# Altium PCB MotionW.PcbDoc
Units mil, origin at the board's own origin, x right, y up, seen from the top; angles counter-clockwise.
Board outline 3780 x 3110 mil, 2 copper layers (Top Layer, Bottom Layer); 130 components, 115 nets, 508 pads, 135 vias.
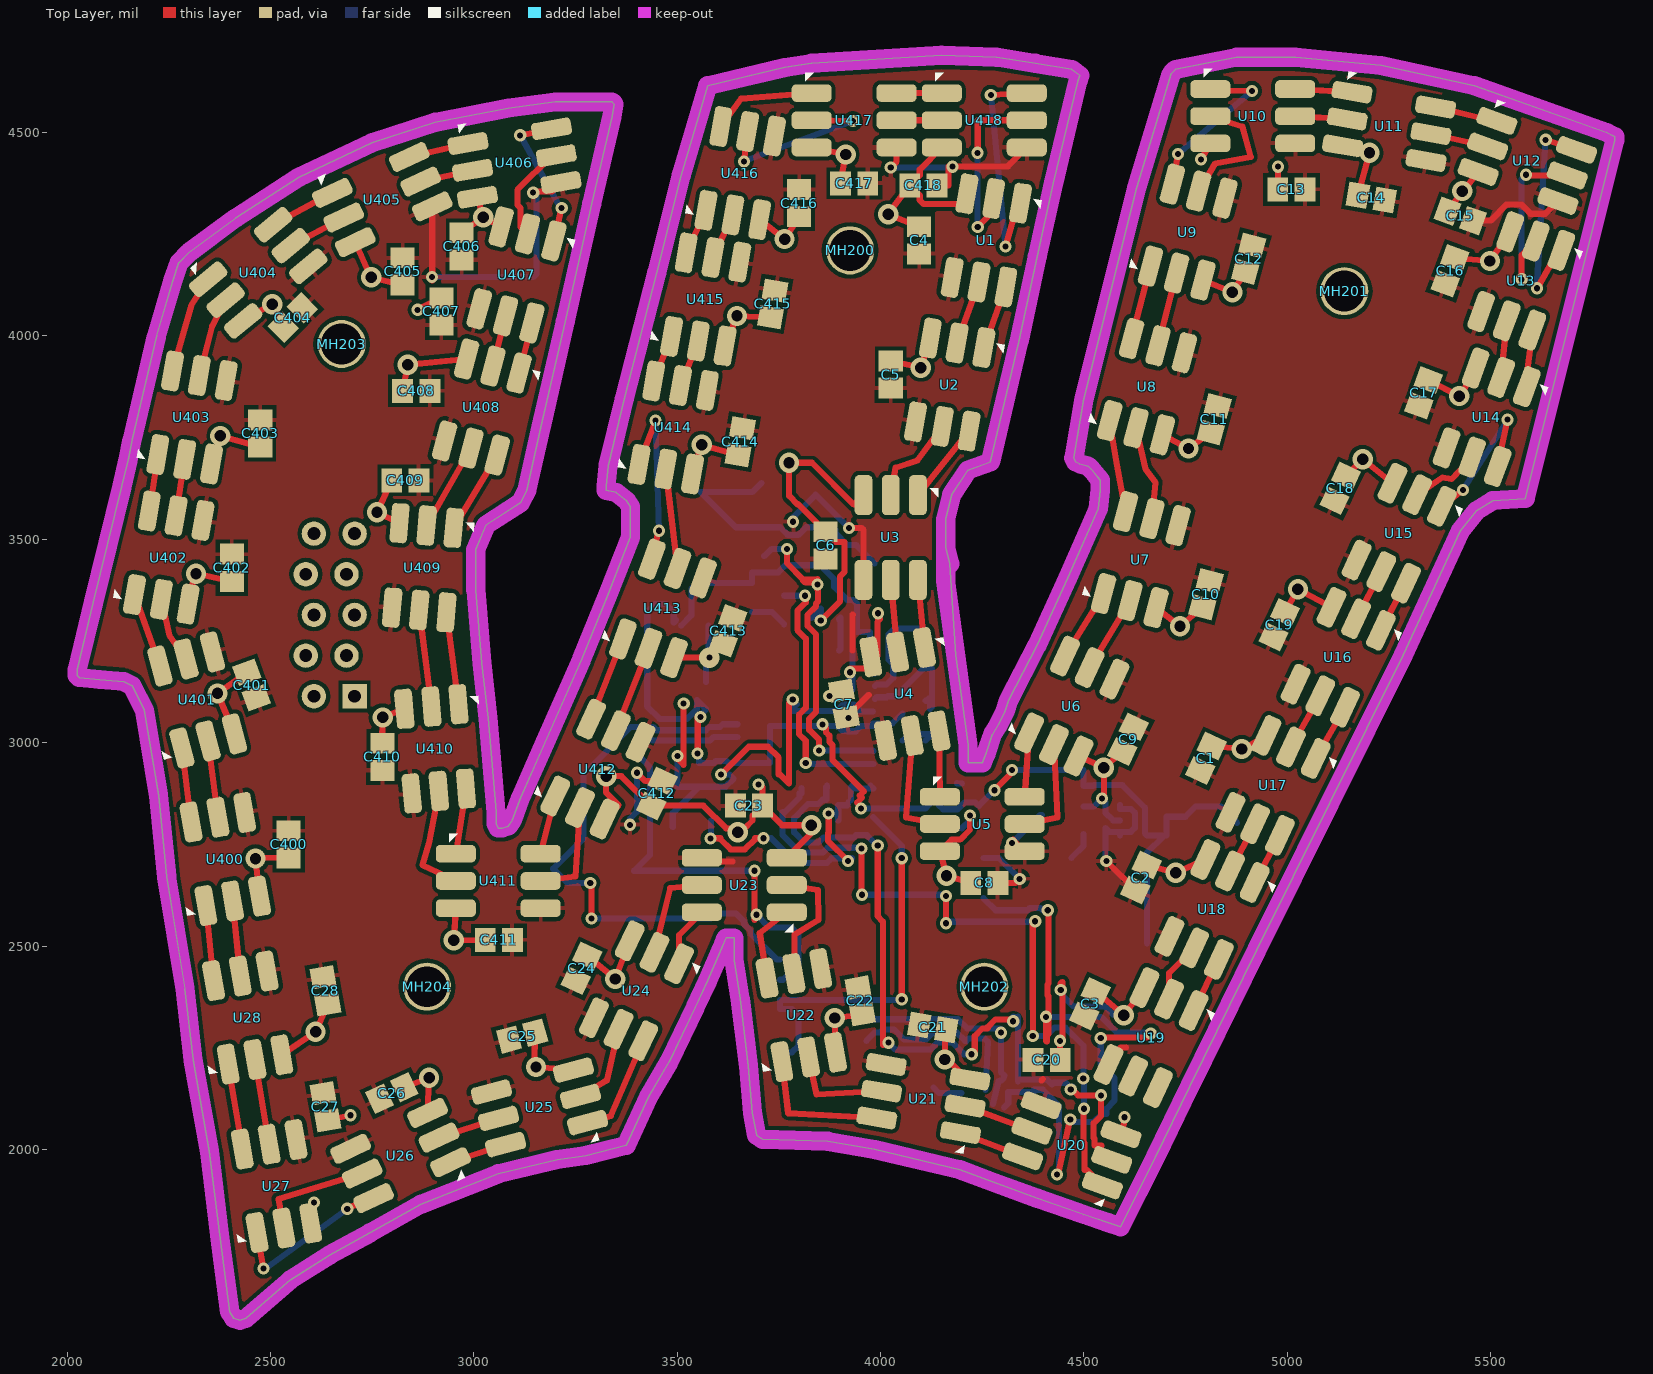
[diagram p0: Top Layer view]
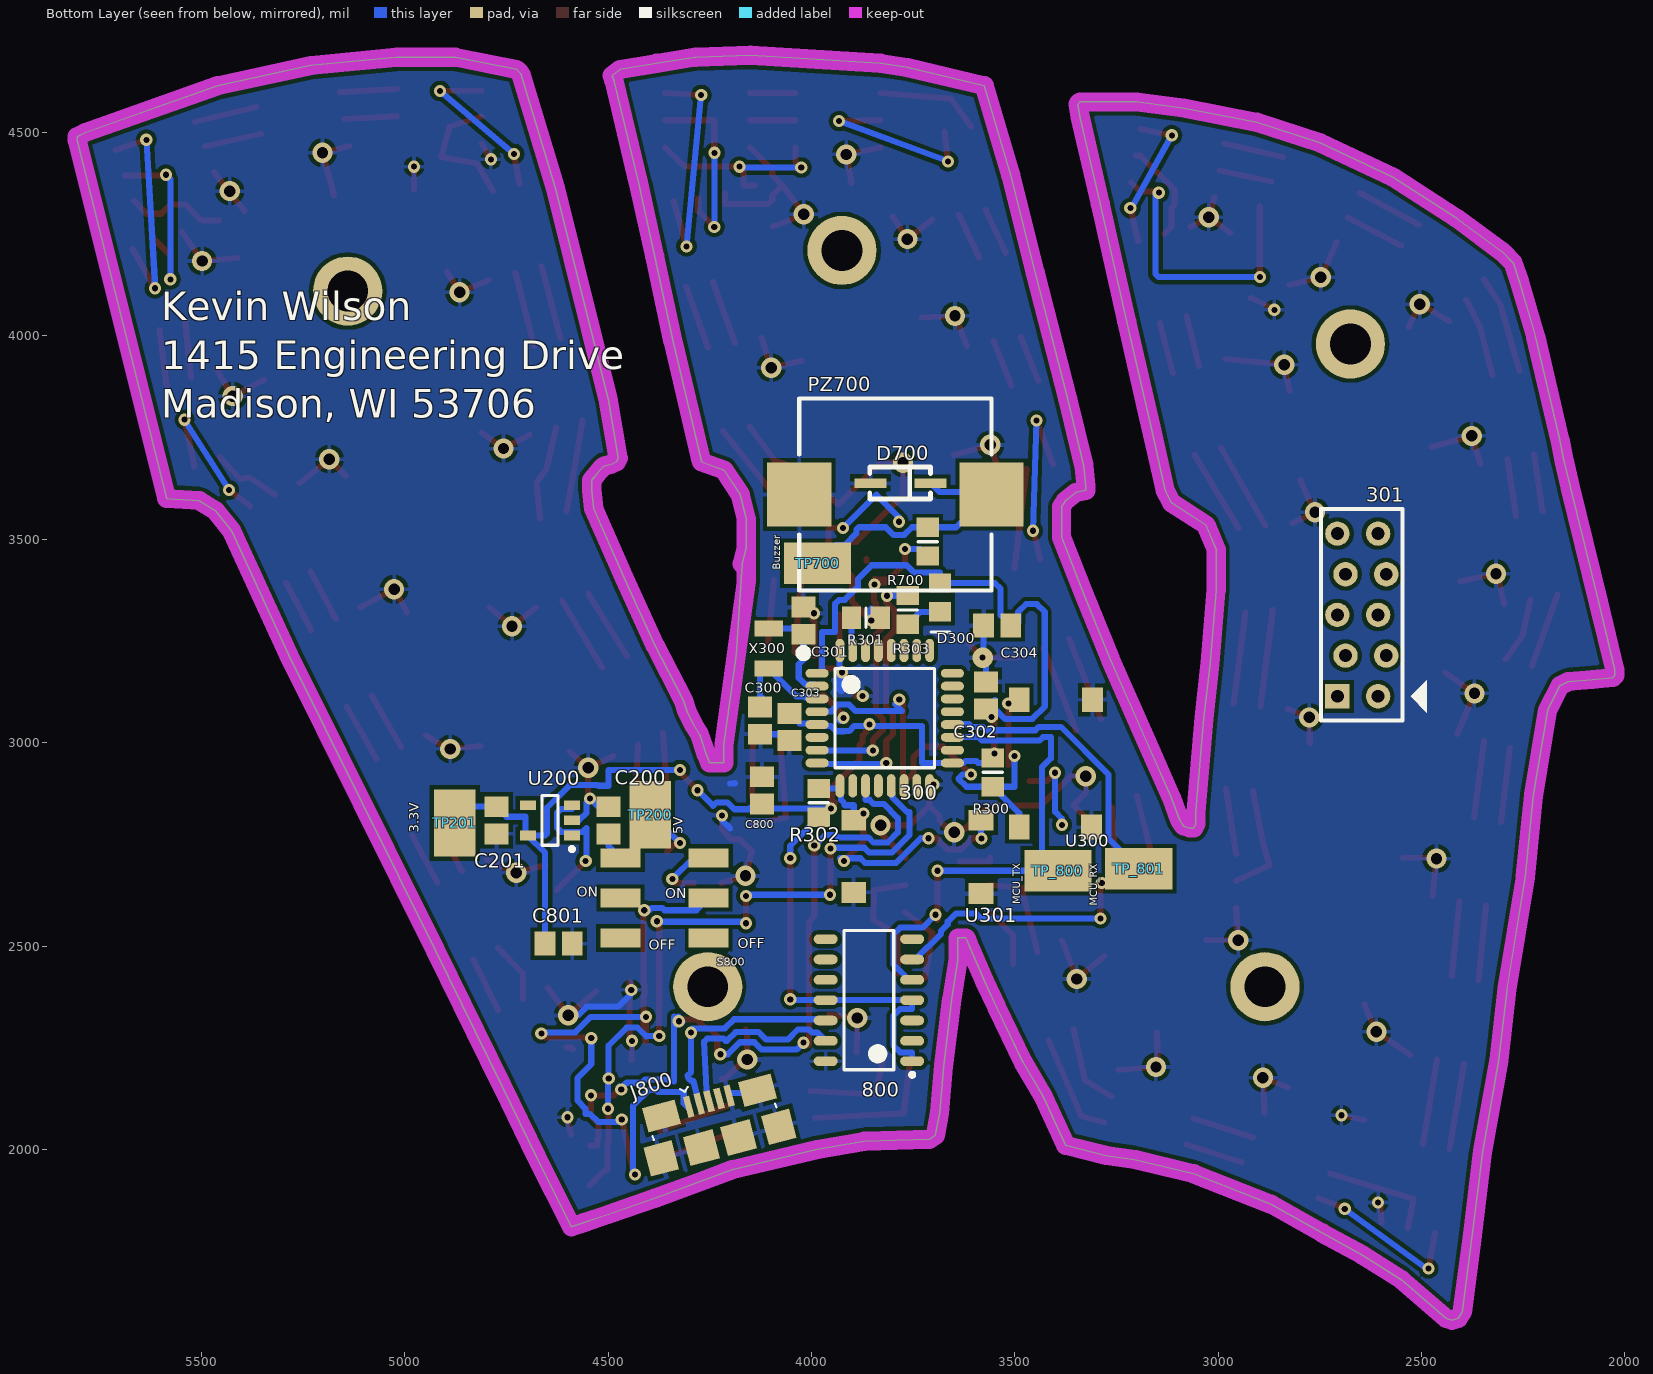
[diagram p1: Bottom Layer view, seen from below]
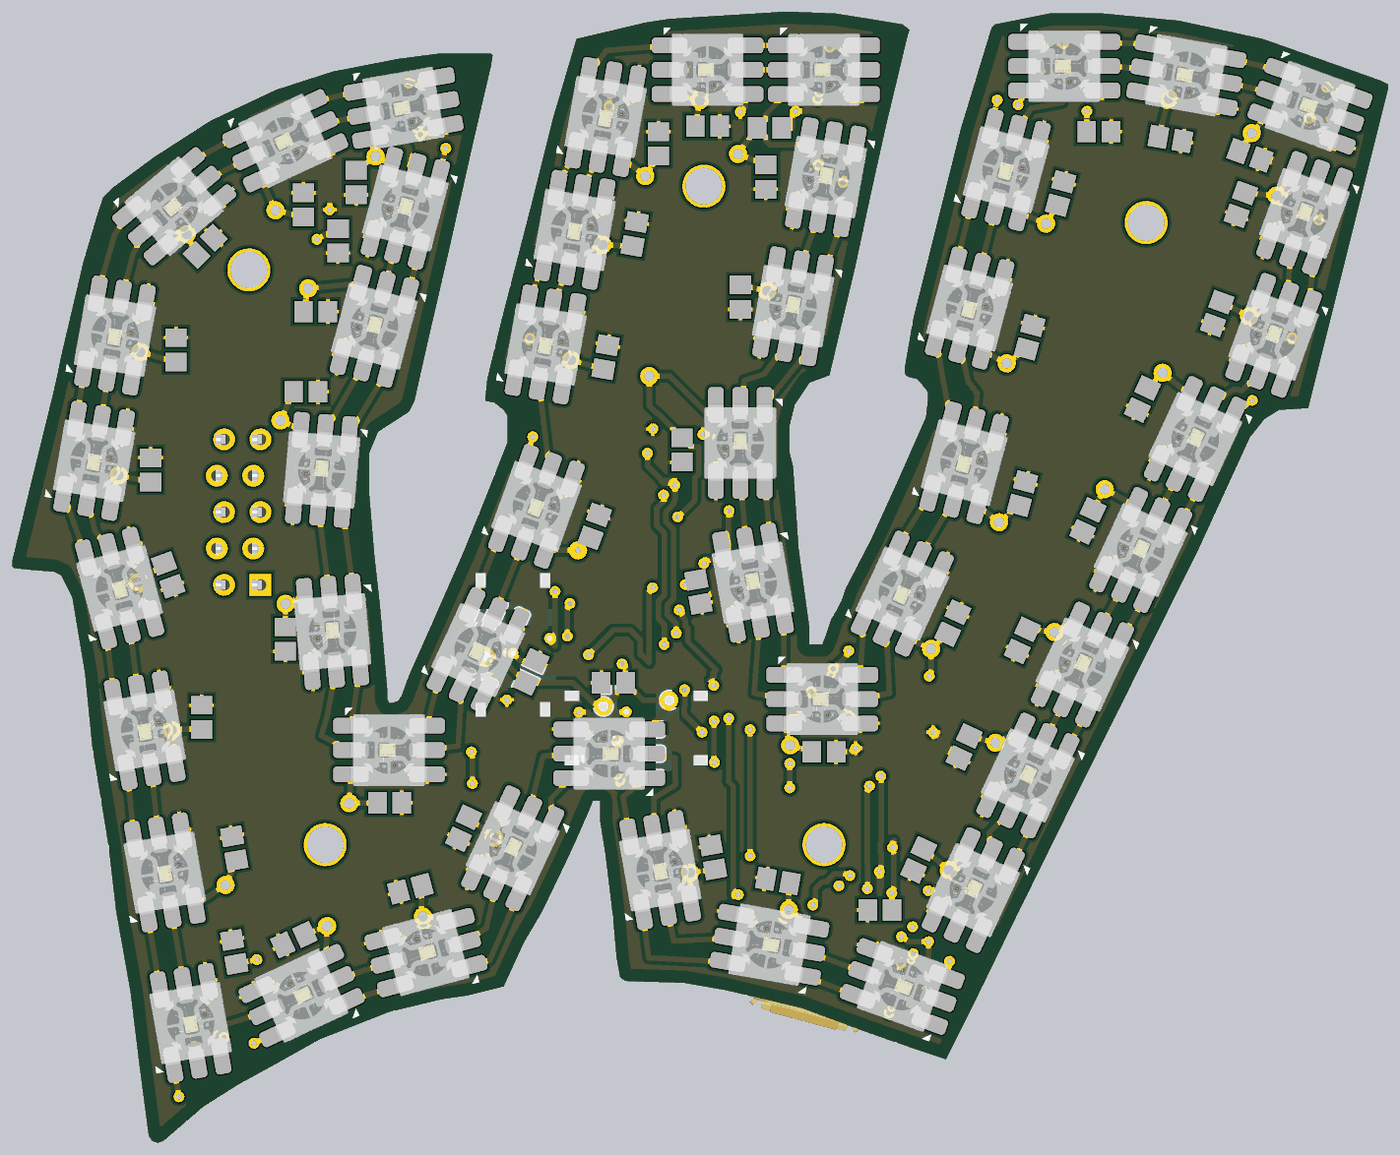
[diagram p2: 3D render of the assembled board from above, using the file's embedded part models]

## Layer stack, top to bottom
Top Solder: solder mask 0.4, Solder Resist, Dk 3.5
Top Layer: signal copper 1.4
Dielectric 1: dielectric 12.6, FR-4, Dk 4.8
Bottom Layer: signal copper 1.4
Bottom Solder: solder mask 0.4, Solder Resist, Dk 3.5

## Board outline
2375,1790 2350,1995 2310,2220 2290,2395 2245,2670 2225,2870 2190,3080 2160,3140 2140,3150 2080,3155 2030,3160 2025,3165 2025,3180 2065,3345 2135,3630 2150,3695 2160,3745 2220,4000 2260,4135 2275,4180 2300,4205 2415,4290 2570,4390 2750,4475 2905,4525 3085,4560 3200,4575 3340,4575 3345,4570 3340,4540 3290,4325 3225,4035 3165,3775 3130,3620 3115,3590 3030,3535 3005,3475 3005,3375 3020,3195 3035,3060 3055,2830 3055,2800 3060,2790 3070,2790 3085,2795 3095,2810 3115,2865 3175,3000 3265,3205 3330,3365 3385,3505 3385,3580 3375,3595 3350,3615 3325,3620 3325,3630 3330,3680 3370,3845 3450,4155 3510,4395 3575,4615 3765,4660 3830,4670 4150,4690 4285,4685 4380,4670 4470,4655 4490,4640 4485,4625 4425,4375 4385,4195 4340,3985 4270,3690 4215,3670 4175,3610 4160,3550 4160,3480 4170,3440 4185,3215 4215,2995 4215,2950 4250,2950 4260,2975 4275,3020 4290,3045 4305,3075 4315,3105 4385,3240 4460,3405 4535,3575 4540,3620 4540,3645 4520,3670 4510,3680 4490,3685 4480,3690 4475,3700 4500,3845 4630,4365 4715,4645 4725,4655 4875,4685 5020,4685 5230,4665 5460,4615 5785,4500 5805,4490 5805,4480 5585,3600 5505,3595 5465,3570 5425,3520 5285,3215 4925,2490 4760,2155 4675,1980 4590,1810 4560,1820 4500,1840 4385,1880 4275,1920 4195,1950 3985,2000 3870,2020 3710,2025 3695,2035 3685,2090 3675,2205 3655,2370 3640,2465 3640,2520 3620,2520 3610,2495 3575,2415 3545,2350 3480,2215 3430,2130 3375,2010 3275,1985 3205,1975 3060,1940 2870,1865 2745,1795 2645,1740 2550,1680 2440,1585 2425,1580 2410,1585 2400,1600

## Design rules (kind name [scope] priority, off if disabled: settings)
Clearance [All] p1: gap=10 ignorepadtopadclearanceinfootprint=FALSE except(0: Arc-Hole Track-Hole SMDPad-Hole THPad-Hole Via-Hole Fill-Hole Poly-Hole Region-Hole Text-Hole; 9: Arc-SMDPad Track-SMDPad SMDPad-SMDPad)
ComponentClearance [All] p1 off: gap=10 collisioncheckmode=3 verticalgap=10 showdistances=FALSE
HoleSize [All] p1: absolutevalues=TRUE maxlimit=200 minlimit=15 maxpercent=80.000 minpercent=20.000
MinimumAnnularRing [All] p1: minimumring=6
MinimumSolderMaskSliver [All] p1 off: minsoldermaskwidth=0
PolygonConnect [All] p1: connectstyle=Relief reliefconductorwidth=10 reliefentries=4 polygonreliefangle="90 Angle" airgapwidth=10
RoutingCorners [All] p1: cornerstyle=Round minsetback=100 maxsetback=100
RoutingVias [All] p1: holewidth=15 width=30 viastyle="Through Hole" minholewidth=15 minwidth=30 maxholewidth=28 maxwidth=50
SilkToSilkClearance [All] p1: silktosilkclearance=0
SilkToSolderMaskClearance [IsPad] p1: minsilkscreentomaskgap=0 clearancetoexposedcopper=TRUE
SolderMaskExpansion [All] p1: expansion=4
Width Width_1 [All] p1: maxlimit=200 minlimit=10 preferedwidth=15 minimp=50.000000 maximp=50.000000 favimp=50.000000
24 further rules are at their usual default settings.

## Components (designator, comment, footprint, x,y, rotation, side; value= is the part's Value field where it differs from the comment)
300 "IC_STM32F303K8T6" IC_STM32FM 3819.66,3060.24 r180 bottom
301 "CONN_ST_PROGRAMMER" CONN_ST_PROGRAMMER 2667,3314 r90 bottom
800 "MCP2221A-I/SL USB-to-UART" "IC_ MCP2221" 3858.7,2367 r0 bottom
C1 "10uF" CAP_0805 4800,2961.54 r245 top locked
C2 "10uF" CAP_0805 4640,2668.46 r245 top locked
C3 "10uF" CAP_0805 4515,2358.46 r245 top locked
C4 "10uF" CAP_0805 4095,4235 r270 top locked
C5 "10uF" CAP_0805 4025,3905 r270 top locked
C6 "10uF" CAP_0805 3865,3485 r270 top locked
C7 "10uF" CAP_0805 3910,3095 r280 top locked
C8 "10uF" CAP_0805 4255,2655 r0 top locked
C9 "10uF" CAP_0805 4608.66,3008.66 r65 top locked
C10 "10uF" CAP_0805 4800,3365 r75 top locked
C11 "10uF" CAP_0805 4820,3795 r75 top locked
C12 "10uF" CAP_0805 4905,4190 r75 top locked
C13 "10uF" CAP_0805 5010,4360 r0 top locked
C14 "10uF" CAP_0805 5206.54,4340 r350 top locked
C15 "10uF" CAP_0805 5425,4295 r340 top locked
C16 "10uF" CAP_0805 5400,4160 r250 top locked
C17 "10uF" CAP_0805 5335,3860 r250 top locked
C18 "10uF" CAP_0805 5130,3625 r245 top locked
C19 "10uF" CAP_0805 4980,3290 r245 top locked
C20 "10uF" CAP_0805 4408.46,2220 r180 top locked
C21 "10uF" CAP_0805 4128.46,2300 r170 top locked
C22 "10uF" CAP_0805 3950,2365 r100 top locked
C23 "10uF" CAP_0805 3676.54,2845 r180 top locked
C24 "10uF" CAP_0805 3265,2445 r245 top locked
C25 "10uF" CAP_0805 3118.66,2278.66 r195 top locked
C26 "10uF" CAP_0805 2798.66,2138.66 r205 top locked
C27 "10uF" CAP_0805 2635,2105 r100 top locked
C28 "10uF" CAP_0805 2635,2390 r100 top locked
C200 "10uF" CAP_0805 4499.12,2809.13 r90 bottom
C201 "10uF" CAP_0805 4774.13,2809.13 r270 bottom
C300 "4.3 pF" CAP_0805 4126,3054 r90 bottom
C301 "4.3 pF" CAP_0805 4020,3300 r270 bottom
C302 "10uF" CAP_0805 3571,3116 r90 bottom
C303 "10uF" CAP_0805 4054,3038.46 r270 bottom
C304 "10uF" CAP_0805 3543.54,3288 r0 bottom
C400 "10uF" CAP_0805 2545,2750 r90 top locked
C401 "10uF" CAP_0805 2453.55,3141.45 r290 top locked
C402 "10uF" CAP_0805 2405,3430 r90 top locked
C403 "10uF" CAP_0805 2475,3760 r90 top locked
C404 "10uF" CAP_0805 2555,4045 r45 top locked
C405 "10uF" CAP_0805 2825,4158.46 r90 top locked
C406 "10uF" CAP_0805 2970,4220 r270 top locked
C407 "10uF" CAP_0805 2920,4060 r270 top locked
C408 "10uF" CAP_0805 2858.46,3865 r0 top locked
C409 "10uF" CAP_0805 2831.54,3645 r0 top locked
C410 "10uF" CAP_0805 2775,2965 r270 top locked
C411 "10uF" CAP_0805 3061.54,2515 r0 top locked
C412 "10uF" CAP_0805 3450,2875 r65 top locked
C413 "10uF" CAP_0805 3625,3275 r70 top locked
C414 "10uF" CAP_0805 3655,3740 r80 top locked
C415 "10uF" CAP_0805 3735,4078.46 r80 top locked
C416 "10uF" CAP_0805 3800,4326.54 r90 top locked
C417 "10uF" CAP_0805 3935,4375 r0 top locked
C418 "10uF" CAP_0805 4105,4370 r0 top locked
C800 "10uF" CAP_0805 4121.47,2882.69 r270 bottom
C801 "10uF" CAP_0805 4621.34,2506.02 r0 bottom
D300 "LED_RED_0805.1" LED_RED_0805 3684,3357 r90 bottom
D700 "DIODE_4148" SOD323-12 3707,3638 r90 bottom
J800 "CONN_RECP_FCI_10118192-0001LF.1" FCI_10118192 4209.82,1961.6 r165 bottom value=10118192-0001LF
MH200 "MHOLE_2_55MM" MHOLE_2_55MM 3925,4210 r0 top locked
MH201 "MHOLE_2_55MM" MHOLE_2_55MM 5140,4110 r0 top locked
MH202 "MHOLE_2_55MM" MHOLE_2_55MM 4255,2400 r0 top locked
MH203 "MHOLE_2_55MM" MHOLE_2_55MM 2675,3980 r0 top locked
MH204 "MHOLE_2_55MM" MHOLE_2_55MM 2885,2400 r90 top locked
PZ700 "Peizo Buzzer" PKLCS 3793.78,3610 r0 bottom
R300 "10K" RES_0805 3554,2927 r90 bottom
R301 "10K" RES_0805 3866,3307 r0 bottom
R302 "10K" RES_0805 3982,2852 r270 bottom
R303 "330" RES_0805 3763,3326.43 r270 bottom
R700 "RES_0805_K_001.00" RES_0805 3714,3494 r90 bottom
S800 "SW DPDT" DPDT 4361,2618 r270 bottom
TP200 "TP_1206" TP-SMC-1206 4396.59,2822.6 r90 bottom
TP201 "TP_1206" TP-SMC-1206 4876.66,2802.6 r270 bottom
TP700 "TP_1206" TP-SMC-1206 3985,3441 r180 bottom
TP_800 "TP_1206" TP-SMC-1206 3394,2685 r180 bottom (schematic designator TP800)
TP_801 "TP_1206" TP-SMC-1206 3195,2690 r0 bottom (schematic designator TP801)
U1 "IC_APA102C" APA102C 4260,4235 r260 top locked
U2 "IC_APA102C" APA102C 4170,3880 r260 top locked
U3 "IC_APA102C" APA102C 4025,3504.33 r270 top locked
U4 "IC_APA102C" APA102C 4060,3120 r280 top locked
U5 "IC_APA102C" APA102C 4250,2800 r0 top locked
U6 "IC_APA102C" APA102C 4470,3090 r65 top locked
U7 "IC_APA102C" APA102C 4640,3450 r75 top locked
U8 "IC_APA102C" APA102C 4655,3875 r75 top locked
U9 "IC_APA102C" APA102C 4755,4255 r75 top locked
U10 "IC_APA102C" APA102C 4915,4540 r0 top locked
U11 "IC_APA102C" APA102C 5250,4515 r350 top locked
U12 "IC_APA102C" APA102C 5590,4430 r340 top locked
U13 "IC_APA102C" APA102C 5575,4135 r250 top locked
U14 "IC_APA102C" APA102C 5490,3800 r250 top locked
U15 "IC_APA102C" APA102C 5275,3515 r245 top locked
U16 "IC_APA102C" APA102C 5125,3210 r245 top locked
U17 "IC_APA102C" APA102C 4965,2895 r245 top locked
U18 "IC_APA102C" APA102C 4815,2590 r245 top locked
U19 "IC_APA102C" APA102C 4665,2275 r245 top locked
U20 "IC_APA102C" APA102C 4470,2010 r160 top locked
U21 "IC_APA102C" APA102C 4105,2125 r170 top locked
U22 "IC_APA102C" APA102C 3805,2330 r100 top locked
U23 "IC_APA102C" APA102C 3665,2650 r180 top locked
U24 "IC_APA102C" APA102C 3400,2390 r245 top locked
U25 "IC_APA102C" APA102C 3161.55,2103.35 r195 top locked
U26 "IC_APA102C" APA102C 2820,1985 r205 top locked
U27 "IC_APA102C" APA102C 2515,1910 r100 top locked
U28 "IC_APA102C" APA102C 2444.03,2323.88 r100 top locked
U200 "TLV73333PDBVR" IC_TLV73333PDBVR 4643,2809 r0 bottom
U300 "SWITCH_6mm_6mm_smd" SW_6mm_6mm_SMT 3399,2949 r270 bottom
U301 "SWITCH_6mm_6mm_smd" SW_6mm_6mm_SMT 3739.5,2719 r0 bottom
U400 "IC_APA102C" APA102C 2389.03,2713.88 r100 top locked
U401 "IC_APA102C" APA102C 2320,3105 r105 top locked
U402 "IC_APA102C" APA102C 2250,3455 r80 top locked
U403 "IC_APA102C" APA102C 2307.2,3799.37 r80 top locked
U404 "IC_APA102C" APA102C 2470,4155 r40 top locked
U405 "IC_APA102C" APA102C 2775,4335 r25 top locked
U406 "IC_APA102C" APA102C 3100,4425 r10 top locked
U407 "IC_APA102C" APA102C 3105,4150 r255 top locked
U408 "IC_APA102C" APA102C 3020,3825 r255 top locked
U409 "IC_APA102C" APA102C 2875,3430 r265 top locked
U410 "IC_APA102C" APA102C 2905,2985 r275 top locked
U411 "IC_APA102C" APA102C 3060,2660 r0 top locked
U412 "IC_APA102C" APA102C 3305,2935 r65 top locked
U413 "IC_APA102C" APA102C 3465,3330 r70 top locked
U414 "IC_APA102C" APA102C 3490,3775 r80 top locked
U415 "IC_APA102C" APA102C 3570,4090 r80 top locked
U416 "IC_APA102C" APA102C 3655,4400 r80 top locked
U417 "IC_APA102C" APA102C 3935,4530 r0 top locked
U418 "IC_APA102C" APA102C 4255,4530 r0 top locked
X300 "32.7680KHZ 12.5PF" NX3215SA-32.768K-STD-MUA-8 4105,3231.21 r270 bottom

## Footprints (in the part's own frame and the unit in brackets; to place one, negate y for a bottom-side part, rotate by r counter-clockwise, add the part's x,y. Pads: shape width x height; smd on the part's side, far side on the other; paste and mask are expansions set on the pad)
APA102C [mm]
  rrect50% 2.5x1.1 smd: 1(-2.65,1.7) 2(-2.65,0) 3(-2.65,-1.7) 4(2.65,-1.7) 5(2.65,0) 6(2.65,1.7)
  silkscreen extent -3.06,2.42 -2.52,2.96, body extent -2.75,-2.5 2.75,2.5, height 1.4
CAP_0805 [mm]
  rect 1.3x1.5 smd: 1(-0.85,0) 2(0.85,0)
  body extent -1.1,-0.73 1.1,0.73, height 1.1
CONN_ST_PROGRAMMER [mil] "0.100' spaced 5x2 header"
  rect 60x60 hole 31.5: 1(-200,40)
  round 60 hole 31.5: 2(-200,-60) 3(-100,20) 4(-100,-80) 5(0,40) 6(0,-60) 7(100,20) 8(100,-80) 9(200,40) 10(200,-60)
  silkscreen extent -1140,-180 260,80, body extent -260,-120 260,80, height 330
DPDT [mm] "SWITCH SLIDE DPDT 300MA 6V"
  rect 1.2x2.5 smd: 1(-2.5,-2.75) 2(0,-2.75) 3(2.5,-2.75) 4(-2.5,2.75) 5(0,2.75) 6(2.5,2.75)
FCI_10118192 [mm] "Connector Receptacle, Micro USB B-type"
  rect 0.4x1.35 smd: 1(-1.3,4.125) 2(-0.635,4.125) 3(0,4.125) 4(0.65,4.125) 5(1.3,4.125)
  rect 2.1x1.6 smd: SH1(-3.1,4) SH2(3.1,4)
  rect 1.8x1.9 smd: SH3(-3.8,1.45) SH6(3.8,1.45)
  rect 1.9x1.9 smd: SH4(-1.2,1.45) SH5(1.2,1.45)
  silkscreen extent -3.96,2.67 3.96,5.33, body extent -3.96,-1.22 3.96,4.44, height 2.74
"IC_ MCP2221" [mm] "SOIC, 14-Leads, Body 8.65x3.90mm, Pitch 1.27mm, IPC Medium Density"
  oval 1.5x0.6 smd: 1(-2.7,3.81) 2(-2.7,2.54) 3(-2.7,1.27) 4(-2.7,0) 5(-2.7,-1.27) 6(-2.7,-2.54) 7(-2.7,-3.81) 8(2.7,-3.81) 9(2.7,-2.54) 10(2.7,-1.27) 11(2.7,0) 12(2.7,1.27) 13(2.7,2.54) 14(2.7,3.81)
  silkscreen extent -2.82,-4.35 1.55,4.78, body extent -1.95,-4.35 1.95,4.35, height 1.75
IC_STM32FM [mm] "ST QFP 32 Pins"
  oval 1.45x0.55 smd: 1(-4.225,2.8) 2(-4.225,2) 3(-4.225,1.2) 4(-4.225,0.4) 5(-4.225,-0.4) 6(-4.225,-1.2) 7(-4.225,-2) 8(-4.225,-2.8) 17(4.225,-2.8) 18(4.225,-2) 19(4.225,-1.2) 20(4.225,-0.4) 21(4.225,0.4) 22(4.225,1.2) 23(4.225,2) 24(4.225,2.8)
  oval 0.55x1.45 smd: 9(-2.8,-4.225) 10(-2,-4.225) 11(-1.2,-4.225) 12(-0.4,-4.225) 13(0.4,-4.225) 14(1.2,-4.225) 15(2,-4.225) 16(2.8,-4.225) 25(2.8,4.225) 26(2,4.225) 27(1.2,4.225) 28(0.4,4.225) 29(-0.4,4.225) 30(-1.2,4.225) 31(-2,4.225) 32(-2.8,4.225)
  silkscreen extent -5.33,-3.1 3.1,4.31, body extent -3.5,-3.5 3.5,3.5, height 1.6
IC_TLV73333PDBVR [mm] "SOT23, 5-Leads, Body 2.90x2.80mm, Pitch 0.95mm, IPC Medium Density"
  rect 1x0.6 smd: 1(-1.375,0.95) 2(-1.375,0) 3(-1.375,-0.95) 4(1.375,-0.95) 5(1.375,0.95)
  silkscreen extent -1.5,-1.55 0.5,1.92, body extent -0.88,-1.52 0.87,1.53, height 1.45
LED_RED_0805 [mm]
  rect 1.2x1.4 smd: 1(-0.9,0) 2(0.9,0)
  silkscreen extent -2.16,-0.63 -2.16,0.56, body extent -1.07,-0.7 1.07,0.7, height 0.8
MHOLE_2_55MM [mm]
  round 3 / inner round 4.572 / far side round 4.318 hole 2.55: 1(0,0)
NX3215SA-32.768K-STD-MUA-8 [mm] "CRYSTAL 32.7680KHZ 12.5PF SMD"
  rect 1x1.8 smd: 1(-1.25,0) 2(1.25,0)
PKLCS [mm]
  rect 4x4 smd: 1(-6,0) 2(6,0)
  silkscreen extent -6,-6 6,6
RES_0805 [mm]
  rect 1.2x1.4 smd: 1(-0.9,0) 2(0.9,0)
  silkscreen extent 0,-0.6 0,0.6, body extent -1.07,-0.7 1.07,0.7, height 0.65
SOD323-12 [mm]
  rect 0.6x2 smd: 1(0,0) 2(0,3.75)
  silkscreen extent -1,0 1,3.8
SW_6mm_6mm_SMT [mm]
  rect 1.55x1.3 smd: 1(-3.975,2.286) 2(3.975,2.214) 3(-3.975,-2.286) 4(3.975,-2.286)
  body extent -5,-3.04 5,2.96, height 3.92
TP-SMC-1206 [mm]
  rect 4.2x2.6 smd mask+0: 1(0,0)
  body extent -1.57,-0.79 1.63,0.81, height 1.22

## Part data
301: Color=Black, Current Rating=3A, Flammability Rating="UL94 V-0", Insulation Resistance=1GR, Manufacturer="Wurth Electronics", Manufacturer Part Number=61301021821, Max Operating Temperature=125°C, Min Operating Temperature=-40°C, Package Quantity=320, Supplier Part Number 1=732-2861-ND, Voltage Rating=250V, ComponentLink1Description=http://www.mouser.com/ds/2/445/6130xx21821-537816.pdf, ComponentLink1URL=http://www.mouser.com/ds/2/445/6130xx21821-537816.pdf, ComponentLink2Description=https://katalog.we-online.de/em/datasheet/6130xx21821.pdf, ComponentLink2URL=https://katalog.we-online.de/em/datasheet/6130xx21821.pdf, ComponentLink3Description=http://www.farnell.com/datasheets/1442176.pdf, ComponentLink3URL=http://www.farnell.com/datasheets/1442176.pdf, Connector Type=Header,Socket, Contact Gender=Female, Contact Material="Copper,Copper Alloy", Contact Plating=Gold, Gender=Receptacle, Height=12.5mm, Housing Material=PBT, Length=5.08mm, Mount="Through Hole", Number of Contacts=10, Number of Positions=10, Number of Rows=2, Packaging=Tray, Pitch=2.54mm, Pricing 1="1=0.74, 10=0.728, 50=0.672, 100=0.616, 320=0.56 (USD)", REACH SVHC=Unknown, Row Spacing=0.1inch, Stock 1=1798, Supplier 1=Digi-Key, Termination=Solder, Width=13.2mm
800: Case/Package=SOIC, Manufacturer=Microchip, Manufacturer Part Number=MCP2221A-I/SL, Max Operating Temperature=85°C, Min Operating Temperature=-40°C, Operating Supply Current=13mA, Supplier Part Number 1=MCP2221A-I/SL-ND, Interface=I2C,UART, Packaging=Rail/Tube, Pricing 1="1=1.95, 25=1.6276, 100=1.4832 (USD)", Stock 1=1014, Supplier 1=Digi-Key
C1 C2 C3 C4 C5 C6 C7 C8 C9 C10 C11 C12 C13 C14 C15 C16 C17 C18 C19 C20 C21 C22 C23 C24 C25 C26 C27 C28 C400 C401 C402 C403 C404 C405 C406 C407 C408 C409 C410 C411 C412 C413 C414 C415 C416 C417 C418: library part CAP_0805_U_010.00, "CAP CER 10UF 16V X7R 0805", Case/Package=0805, Case Code (Metric)=2012, Dielectric=X5R, Manufacturer=Samsung, Manufacturer Part Number=CL21A106KPCLQNC, Max Operating Temperature=85°C, Min Operating Temperature=-55°C, Package Quantity=1, Supplier Part Number 1=1276-2402-1-ND, Tolerance=10%, Voltage Rating=10V, Capacitance=10uF, Case Code (Imperial)=0805, ComponentLink1Description=https://datasheet.ciiva.com/25730/cl21a106kpclqnc-25730594.pdf, ComponentLink1URL=https://datasheet.ciiva.com/25730/cl21a106kpclqnc-25730594.pdf, ComponentLink3Description=https://datasheet.ciiva.com/26920/getdatasheetpartid-355170-26920201.pdf, ComponentLink3URL=https://datasheet.ciiva.com/26920/getdatasheetpartid-355170-26920201.pdf, Contact Plating=Tin, Depth=1.25mm, Height=0.85mm, Length=2mm, Mount="Surface Mount", Packaging="Tape and Reel", Pricing 1="1=0.22, 10=0.148, 100=0.0749, 500=0.05122, 1000=0.04531 (USD)", Radiation Hardening=No, Stock 1=40000, Supplier 1=Digi-Key, Thickness=0.037inch, Width=0.049inch
C200 C201 C302 C303 C304: library part CAP_0805_U_010.00, "CAP CER 10UF 16V X5R 0805", Case/Package=0805, Case Code (Metric)=2012, Dielectric=X5R, Manufacturer=Samsung, Manufacturer Part Number=CL21A106KOFNNNE, Max Operating Temperature=85°C, Min Operating Temperature=-55°C, Package Quantity=2000, Tolerance=10%, Voltage Rating=16V, Capacitance=10uF, Case Code (Imperial)=0805, ComponentLink1Description=https://datasheet.ciiva.com/25730/cl21a106kpclqnc-25730594.pdf, ComponentLink1URL=https://datasheet.ciiva.com/25730/cl21a106kpclqnc-25730594.pdf, ComponentLink2Description=http://www.samsungsem.com/kr/support/product-search/mlcc/CL21A106KOFNNNE.jsp, ComponentLink2URL=http://www.samsungsem.com/kr/support/product-search/mlcc/CL21A106KOFNNNE.jsp, ComponentLink3Description=https://datasheet.ciiva.com/26920/getdatasheetpartid-355170-26920201.pdf, ComponentLink3URL=https://datasheet.ciiva.com/26920/getdatasheetpartid-355170-26920201.pdf, ComponentLink4Description=http://www1.futureelectronics.com/doc/SAMSUNG/CL21A106KOFNNNE.pdf, ComponentLink4URL=http://www1.futureelectronics.com/doc/SAMSUNG/CL21A106KOFNNNE.pdf, ComponentLink5Description=https://www.verical.com/server-webapp/html/getDatasheet?partID=354009, ComponentLink5URL=https://www.verical.com/server-webapp/html/getDatasheet?partID=354009, Depth=1.25mm, Height=1.25mm, Length=2mm, Mount="Surface Mount", Packaging="Tape and Reel", Pricing 1="1=0.29, 10=0.199, 100=0.1009, 500=0.06904, 1000=0.06107 (USD)", Radiation Hardening=No, Stock 1=1158169, Supplier 1=Digi-Key, Thickness=0.053inch, Width=0.049inch
C300 C301: library part CAP_0805_P_004.30, "CAP CER 4.3PF 100V NP0 0805", Capacitance=4.3pF, Case/Package=0805, Case Code (Metric)=2012, Dielectric=C0G, Manufacturer="Kyocera AVX", Manufacturer Part Number=08051U4R3BAT2A, Max Operating Temperature=125°C, Min Operating Temperature=-55°C, Package Quantity=4000, Voltage Rating=100V, Case Code (Imperial)=0805, ComponentLink1Description=https://datasheet.ciiva.com/204/ccog-204944.pdf, ComponentLink1URL=https://datasheet.ciiva.com/204/ccog-204944.pdf, ComponentLink2Description=https://datasheet.ciiva.com/11570/ccog-11570969.pdf, ComponentLink2URL=https://datasheet.ciiva.com/11570/ccog-11570969.pdf, ComponentLink3Description=http://datasheets.avx.com/U-Series.pdf, ComponentLink3URL=http://datasheets.avx.com/U-Series.pdf, ComponentLink4Description=http://www.avxcorp.com/docs/Catalogs/useries.pdf, ComponentLink4URL=http://www.avxcorp.com/docs/Catalogs/useries.pdf, Composition=Ceramic, Depth=1.25mm, Height=1.02mm, Length=2.01mm, Mount="Surface Mount", Packaging="Tape and Reel", Pricing 1="4000=0.14663 (USD)", Radiation Hardening=No, Stock 1=0, Supplier 1=Digi-Key, Termination=SMD/SMT, Thickness=0.045inch, Voltage Rating (DC)=100V, Width=1.25mm
C800 C801: library part CAP_0805_U_010.00, "CAP CER 10UF 16V X5R 0805", Case/Package=0805, Case Code (Metric)=2012, Dielectric=X5R, Manufacturer=Samsung, Manufacturer Part Number=CL21A106KOFNNNE, Max Operating Temperature=85°C, Min Operating Temperature=-55°C, Package Quantity=2000, Supplier Part Number 1=1276-2893-6-ND, Tolerance=10%, Voltage Rating=16V, Capacitance=10uF, Case Code (Imperial)=0805, ComponentLink1Description=https://datasheet.ciiva.com/25730/cl21a106kpclqnc-25730594.pdf, ComponentLink1URL=https://datasheet.ciiva.com/25730/cl21a106kpclqnc-25730594.pdf, ComponentLink2Description=http://www.samsungsem.com/kr/support/product-search/mlcc/CL21A106KOFNNNE.jsp, ComponentLink2URL=http://www.samsungsem.com/kr/support/product-search/mlcc/CL21A106KOFNNNE.jsp, ComponentLink3Description=https://datasheet.ciiva.com/26920/getdatasheetpartid-355170-26920201.pdf, ComponentLink3URL=https://datasheet.ciiva.com/26920/getdatasheetpartid-355170-26920201.pdf, ComponentLink4Description=http://www1.futureelectronics.com/doc/SAMSUNG/CL21A106KOFNNNE.pdf, ComponentLink4URL=http://www1.futureelectronics.com/doc/SAMSUNG/CL21A106KOFNNNE.pdf, ComponentLink5Description=https://www.verical.com/server-webapp/html/getDatasheet?partID=354009, ComponentLink5URL=https://www.verical.com/server-webapp/html/getDatasheet?partID=354009, Depth=1.25mm, Height=1.25mm, Length=2mm, Mount="Surface Mount", Packaging="Tape and Reel", Pricing 1="1=0.29, 10=0.199, 100=0.1009, 500=0.06904, 1000=0.06107 (USD)", Radiation Hardening=No, Stock 1=1158169, Supplier 1=Digi-Key, Thickness=0.053inch, Width=0.049inch
D300: "LED SUPER RED CLR THIN 0805 SMD", Emitting Color=Red, Forward Current="30 mA", Forward Voltage="2.4 V", Manufacturer="Vishay / Lite-On", Manufacturer Part Number=LTST-C171KRKT, Operating Temperature Classification=Industrial, Operating Temp Range="-55C to 85C", Package Type="Chip Led", Power Dissipation="75 W", Reverse Voltage="5 V", Supplier Part Number 1=160-1427-1-ND, Test Current (It)="20 mA", Chip Material=AlGaInP, ComponentLink1Description=https://datasheet.ciiva.com/2110/s-110-ltst-c171krkt-2110066.pdf, ComponentLink1URL=https://datasheet.ciiva.com/2110/s-110-ltst-c171krkt-2110066.pdf, ComponentLink2Description=https://datasheet.ciiva.com/2110/s-110-ltst-c171krkt-2110067.pdf, ComponentLink2URL=https://datasheet.ciiva.com/2110/s-110-ltst-c171krkt-2110067.pdf, ComponentLink3Description=https://datasheet.ciiva.com/2110/s-110-ltst-c171krkt-2110068.pdf, ComponentLink3URL=https://datasheet.ciiva.com/2110/s-110-ltst-c171krkt-2110068.pdf, ComponentLink4Description=https://datasheet.ciiva.com/12403/lite-on-ltst-c171krkt-187201-12403781.pdf, ComponentLink4URL=https://datasheet.ciiva.com/12403/lite-on-ltst-c171krkt-187201-12403781.pdf, ComponentLink5Description=https://datasheet.ciiva.com/11775/0900766b80dc0299-11775643.pdf, ComponentLink5URL=https://datasheet.ciiva.com/11775/0900766b80dc0299-11775643.pdf, ComponentLink6Description=https://datasheet.ciiva.com/16444/lite-on20ltst-c171krkt-16444779.pdf, ComponentLink6URL=https://datasheet.ciiva.com/16444/lite-on20ltst-c171krkt-16444779.pdf, DELETED=Compliant, Dominant Wave Length="631 nm", High Brightness=Yes, Lens Dimensions="1.4x1.25x0.5 mm", Luminous Intensity=54mcd, Lum Intensity=54mcd, Main Category="Chip LED", Mounting="Surface Mount", Number of  Elements=1, Packaging="Tape and Reel", Peak Wavelength="639 nm", Pin Count=2, Pricing 1="1=0.31, 10=0.225, 25=0.1656, 100=0.1183, 250=0.0804, 500=0.071, 1000=0.0556 (USD)", Product Depth (mm)="1.25 mm", Product Height (mm)="0.8 mm", Product Length (mm)="2 mm", Rad Hardened=No, Shape Type=Rectangular, Stock 1=97347, Supplier 1=Digikey, Type=Uni-Color, Viewing Angle="130 deg"
D700: "DIODE GEN PURP 100V 300MA SOD123", Manufacturer=Diodes, Manufacturer Part Number=1N4148W--7-F, Maximum Forward Voltage=1.25V, Maximum Reverse Voltage=100V, Package Type=SOD-123, Supplier Part Number 1=1N4148W-FDICT-ND, ComponentLink1Description=http://uk.rs-online.com/webdocs/0f8c/0900766b80f8c94e.pdf, ComponentLink1URL=http://uk.rs-online.com/webdocs/0f8c/0900766b80f8c94e.pdf, Diode Configuration=Single, Mounting Type="Surface Mount", Number of Elements per Chip=1, Pin Count=2, Pricing 1="1=0.18, 10=0.164, 100=0.0891, 500=0.0548, 1000=0.0374 (USD)", Stock 1=993734, Supplier 1=Digi-Key
J800: "CONN USB MICRO B RECPT SMT R/A", Package=FCI_10118192-0001LF, Supplier Part Number 1=609-4613-1-ND, Tolerance="USB MICRO B", Supplier 1=Digi-Key
MH200 MH201 MH202 MH203 MH204: "Mounting Holde", Manufacturer Part Number="UW MTHOLE"
PZ700: library part Peizo, "AUDIO PIEZO TRANSDUCER 12.5V SMD", Frequency=2kHz, Manufacturer="Murata Electronics North America", Manufacturer Part Number=PKLCS1212E2000-R1, Operating Mode="Single Tone", Operating Temperature="-20°C ~ 70°C", Supplier Part Number=490-5260-1-ND, Voltage - Rated=1.5V, Voltage Range="12.5V (Max)", Category="Audio Products", Driver Circuitry="Transducer, Externally Driven", Input Type="Zero-Peak Signal", Mounting Type="Surface Mount", Packaging="Cut Tape (CT)", Port Location=Side, RoHS="RoHS Compliant", Size / Dimension="12.0mm L x 12.0mm W x 3.0mm H", Sound Pressure Level="70dB @ 1.5V, 10cm", Supplier=Digi-Key, Technology=Piezo, Termination="Solder Pads"
R300 R301 R302: library part RES_0805_K_010.00, "RES SMD 10K OHM 1% 1/8W 0805", Case/Package=0805, Case Code (Metric)=2012, Manufacturer="Panasonic / Panasonic ECG", Manufacturer Part Number=ERJ-6ENF1002V, Max Operating Temperature=155°C, Max Power Dissipation=125mW, Min Operating Temperature=-55°C, Package Quantity=1, Resistance=10k, Resistance Tolerance="± 1%", Resistor Element Material="Thick Film", Resistor Mounting=SMD, Temperature Coefficient="± 200ppm/°C", Tolerance=1%, Voltage Rating=150V, Case Code (Imperial)=0805, ComponentLink1Description=https://datasheet.ciiva.com/11808/0900766b80f80784-11808080.pdf, ComponentLink1URL=https://datasheet.ciiva.com/11808/0900766b80f80784-11808080.pdf, ComponentLink2Description=https://datasheet.ciiva.com/16514/aoa0000ce2-16514021.pdf, ComponentLink2URL=https://datasheet.ciiva.com/16514/aoa0000ce2-16514021.pdf, ComponentLink3Description=https://datasheet.ciiva.com/27055/1988971-27055733.pdf, ComponentLink3URL=https://datasheet.ciiva.com/27055/1988971-27055733.pdf, ComponentLink4Description=https://datasheet.ciiva.com/16759/70260748-16759350.pdf, ComponentLink4URL=https://datasheet.ciiva.com/16759/70260748-16759350.pdf, ComponentLink5Description=https://datasheet.ciiva.com/16725/70260748-16725031.pdf, ComponentLink5URL=https://datasheet.ciiva.com/16725/70260748-16725031.pdf, ComponentLink6Description=https://datasheet.ciiva.com/7830/426256-7830745.pdf, ComponentLink6URL=https://datasheet.ciiva.com/7830/426256-7830745.pdf, ComponentLink7Description=https://datasheet.ciiva.com/46372/1678782-46372714.pdf, ComponentLink7URL=https://datasheet.ciiva.com/46372/1678782-46372714.pdf, ComponentLink8Description=https://datasheet.ciiva.com/46372/1678782-46372715.pdf, ComponentLink8URL=https://datasheet.ciiva.com/46372/1678782-46372715.pdf, ComponentLink9Description=https://datasheet.ciiva.com/17212/aoa0000ce2-17212108.pdf, ComponentLink9URL=https://datasheet.ciiva.com/17212/aoa0000ce2-17212108.pdf, ComponentLink10Description=https://datasheet.ciiva.com/30140/aoa0000ce2-30140236.pdf, ComponentLink10URL=https://datasheet.ciiva.com/30140/aoa0000ce2-30140236.pdf, ComponentLink11Description=https://datasheet.ciiva.com/16740/aoa0000ce2-16740669.pdf, ComponentLink11URL=https://datasheet.ciiva.com/16740/aoa0000ce2-16740669.pdf, ComponentLink12Description=https://datasheet.ciiva.com/24070/aoa0000ce2-24070702.pdf, ComponentLink12URL=https://datasheet.ciiva.com/24070/aoa0000ce2-24070702.pdf, ComponentLink13Description=http://www.yageo.com/documents/recent/PYu-RC_Group_51_RoHS_L_9.pdf, ComponentLink13URL=http://www.yageo.com/documents/recent/PYu-RC_Group_51_RoHS_L_9.pdf, ComponentLink14Description=http://www.farnell.com/datasheets/444164.pdf, ComponentLink14URL=http://www.farnell.com/datasheets/444164.pdf, ComponentLink15Description=http://www.yageo.com/documents/recent/PYu-RC_Group_51_RoHS_L_10.pdf, ComponentLink15URL=http://www.yageo.com/documents/recent/PYu-RC_Group_51_RoHS_L_10.pdf, ComponentLink16Description=http://www.yageo.ru/pdf/RC0805.pdf, ComponentLink16URL=http://www.yageo.ru/pdf/RC0805.pdf, ComponentLink17Description=http://www.yageo.com/NewPortal/yageodocoutput?fileName=/pdf/R-Chip/PYu-AC_51_RoHS_L_6.pdf, ComponentLink17URL=http://www.yageo.com/NewPortal/yageodocoutput?fileName=/pdf/R-Chip/PYu-AC_51_RoHS_L_6.pdf, Composition="Thick Film", Depth=1.25mm, Features="Moisture Resistant", Height=0.024inch, Lead Free="Lead Free", Length=2mm, Military Standard=Not, No. of Pins=2, Number of Terminations=2, Packaging="Tape and Reel", Power Rating=125mW, Pricing 1="1=0.1, 10=0.05, 100=0.0205, 1000=0.00921, 2500=0.00799 (USD)", Product Range="PANASONIC - ERJ Series", REACH SVHC=Unknown, Resistor Case Style=0805, Resistor Element Type="Thick Film", Series=ERJ, Stock 1=802268, Supplier 1=Digi-Key, Termination=SMD/SMT, Width=0.049inch
R303: library part RES_0805_R_330.00, "RES SMD 330 OHM 1% 1/8W 0805", Case/Package=0805, Case Code (Metric)=2012, Manufacturer="Panasonic / Panasonic ECG", Manufacturer Part Number=ERJ-6ENF3300V, Max Operating Temperature=155°C, Max Power Dissipation=125mW, Min Operating Temperature=-55°C, Package Quantity=1, Resistance Tolerance="± 1%", Resistor Case Style="0805 ^2012 Metric]", Resistor Element Type="Thick Film", Temperature Coefficient="± 200ppm/°C", Tolerance=1%, Voltage Rating=150V, Case Code (Imperial)=0805, ComponentLink1Description=https://datasheet.ciiva.com/11821/0900766b80f80784-11821635.pdf, ComponentLink1URL=https://datasheet.ciiva.com/11821/0900766b80f80784-11821635.pdf, ComponentLink2Description=https://datasheet.ciiva.com/30131/aoa0000ce2-30131349.pdf, ComponentLink2URL=https://datasheet.ciiva.com/30131/aoa0000ce2-30131349.pdf, ComponentLink3Description=https://datasheet.ciiva.com/24025/aoa0000ce2-24025991.pdf, ComponentLink3URL=https://datasheet.ciiva.com/24025/aoa0000ce2-24025991.pdf, ComponentLink4Description=https://datasheet.ciiva.com/17206/aoa0000ce2-17206152.pdf, ComponentLink4URL=https://datasheet.ciiva.com/17206/aoa0000ce2-17206152.pdf, ComponentLink5Description=https://datasheet.ciiva.com/46436/1678782-46436633.pdf, ComponentLink5URL=https://datasheet.ciiva.com/46436/1678782-46436633.pdf, ComponentLink6Description=https://datasheet.ciiva.com/46436/1678782-46436634.pdf, ComponentLink6URL=https://datasheet.ciiva.com/46436/1678782-46436634.pdf, ComponentLink7Description=https://datasheet.ciiva.com/16760/70260748-16760668.pdf, ComponentLink7URL=https://datasheet.ciiva.com/16760/70260748-16760668.pdf, ComponentLink8Description=https://datasheet.ciiva.com/16780/70260748-16780764.pdf, ComponentLink8URL=https://datasheet.ciiva.com/16780/70260748-16780764.pdf, ComponentLink9Description=https://datasheet.ciiva.com/22684/1678782-22684798.pdf, ComponentLink9URL=https://datasheet.ciiva.com/22684/1678782-22684798.pdf, ComponentLink10Description=https://datasheet.ciiva.com/28590/1678782-28590783.pdf, ComponentLink10URL=https://datasheet.ciiva.com/28590/1678782-28590783.pdf, ComponentLink11Description=http://www.yageo.ru/pdf/RC0805.pdf, ComponentLink11URL=http://www.yageo.ru/pdf/RC0805.pdf, ComponentLink12Description=http://www.yageo.com/documents/recent/PYu-RC_Group_51_RoHS_L_9.pdf, ComponentLink12URL=http://www.yageo.com/documents/recent/PYu-RC_Group_51_RoHS_L_9.pdf, ComponentLink13Description=http://www.yageo.com/documents/recent/PYu-RC_Group_51_RoHS_L_10.pdf, ComponentLink13URL=http://www.yageo.com/documents/recent/PYu-RC_Group_51_RoHS_L_10.pdf, ComponentLink14Description=http://www.yageo.com.tw/exep/pages/download/literatures/PYu-R_INT-thick_7.pdf, ComponentLink14URL=http://www.yageo.com.tw/exep/pages/download/literatures/PYu-R_INT-thick_7.pdf, ComponentLink15Description=http://www.farnell.com/datasheets/444164.pdf, ComponentLink15URL=http://www.farnell.com/datasheets/444164.pdf, Composition="Thick Film", Depth=1.25mm, Features="Moisture Resistant", Height=0.024inch, Lead Free="Lead Free", Length=2mm, Military Standard=Not, Number of Terminations=2, Packaging="Full Reel", Power Rating=125mW, Pricing 1="1=0.1, 10=0.042, 100=0.017, 1000=0.00762, 2500=0.00662 (USD)", Product Range="PANASONIC - ERJ Series", REACH SVHC=Unknown, Resistance=330, Stock 1=3197096, Supplier 1=Digi-Key, SVHC="To Be Advised", Termination=SMD/SMT, Width=0.049inch